# Altium PCB SAMW25_Xplained_Pro.PcbDoc (part 6 of 9) (continued)
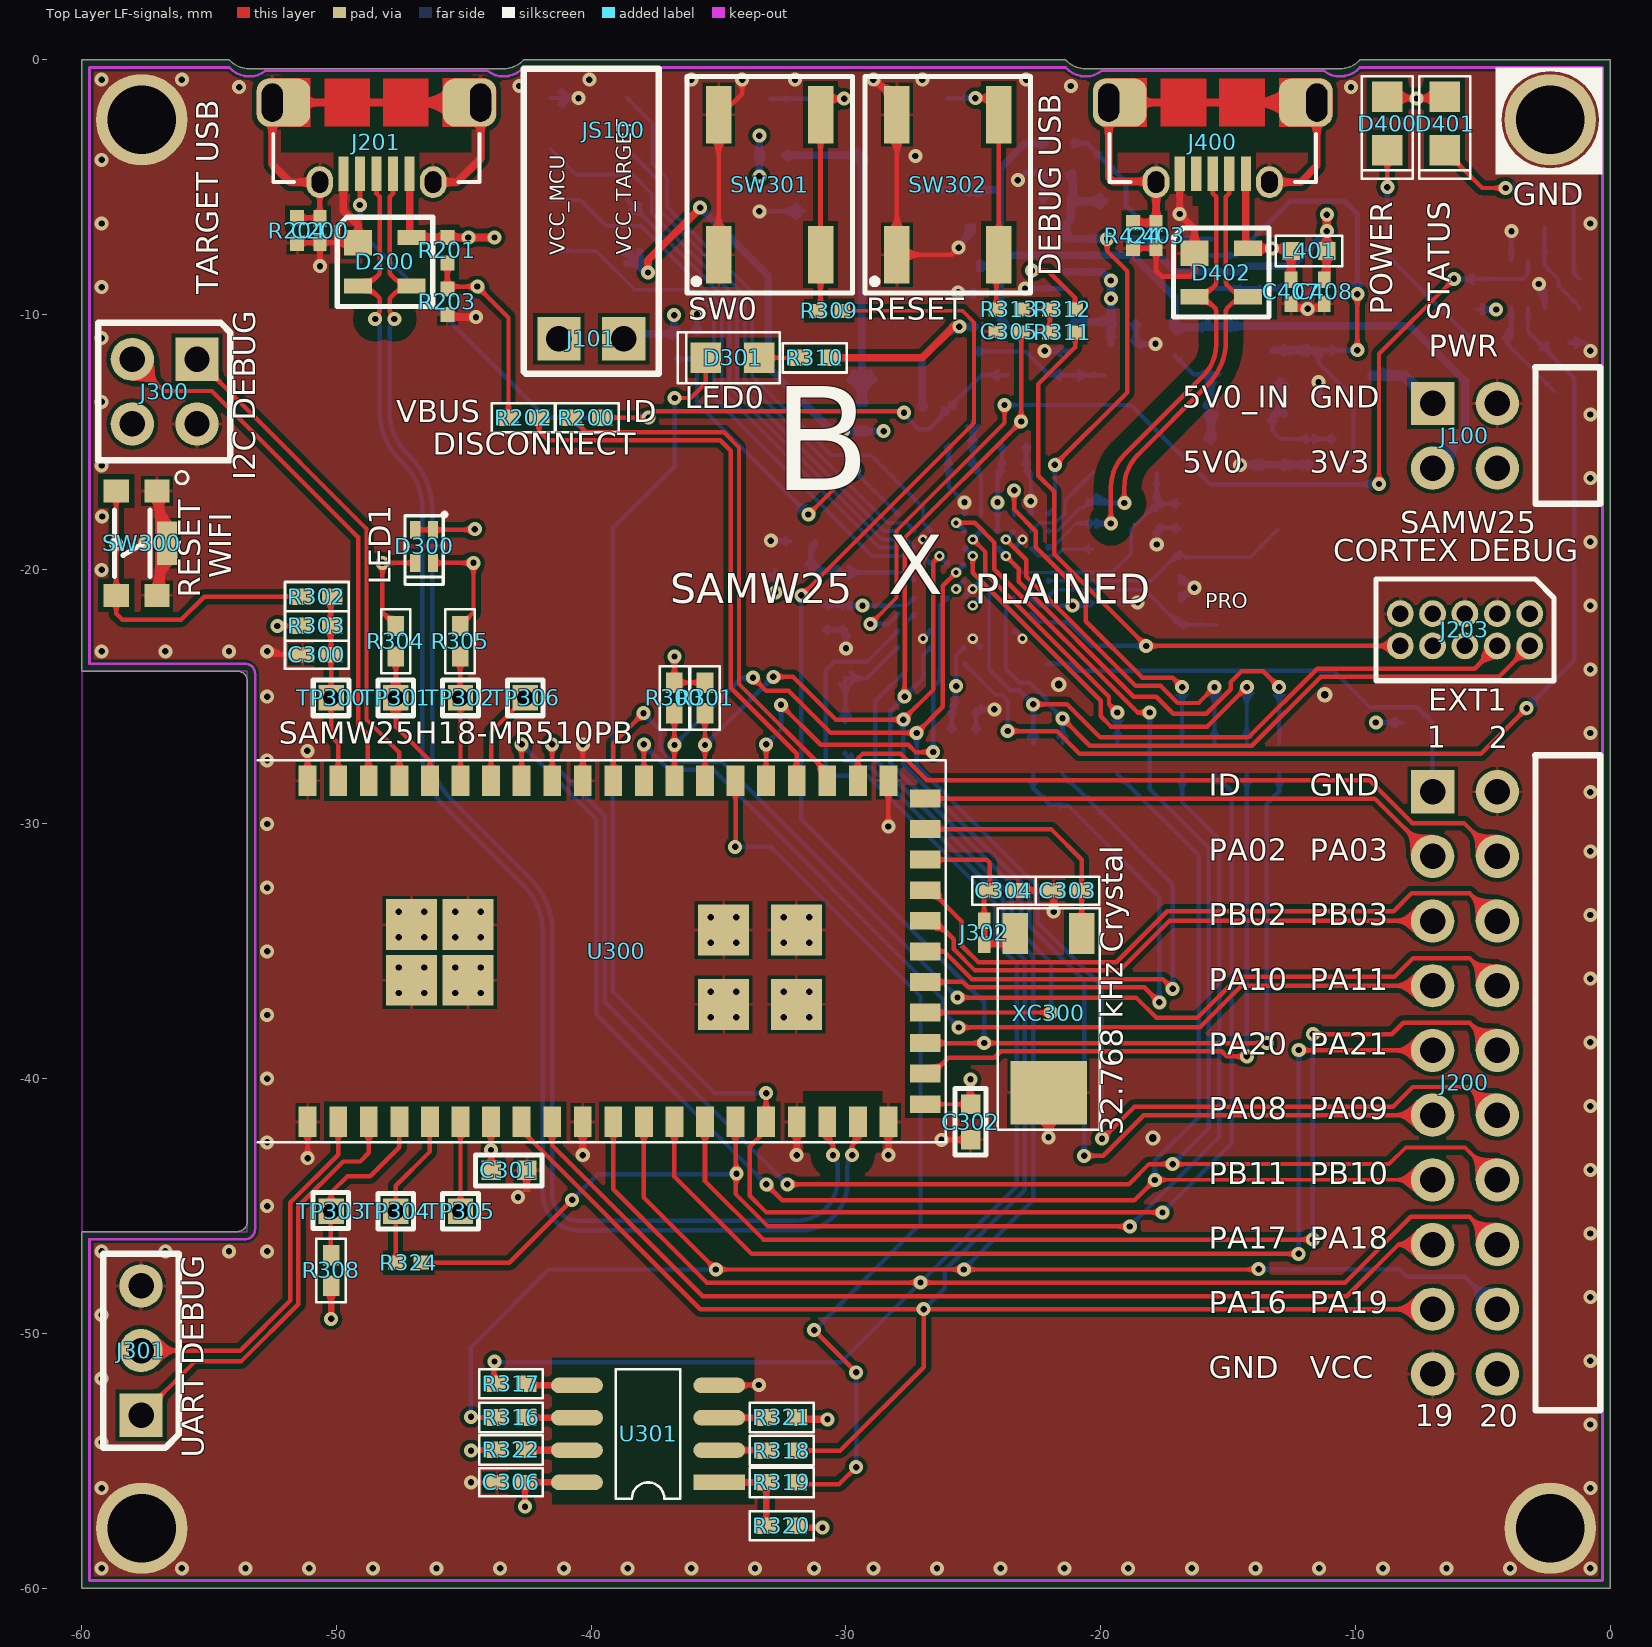
[diagram p0: Top Layer LF-signals view]
## Nets (pads, with @x,y where several pads share a name; then routed paths per layer and width w, separated by ;. In a path a pad name is that pad's centre, name@x,y a point inside that pad or via, vN(x,y) a via of type N, cw(c..) or ccw(c..) an arc to the next point about the centre after c; other vN are vias at no path point) (continued)
NetR314_2: pad.3@-22,-29.25 R314.2 U300.25 | length 30.4
  Top Layer LF-signals w0.175: U300.25@-26.894,-36.2 -25.412,-36.2 -25.201,-36.411 -18.289,-36.411 v1(-17.7,-37) ; U300.25@-26.458,-36.386 cw(c-26.01,-36.834) -26.01,-36.2 ; U300.25@-26.458,-36.386 cw(c-26.01,-36.834) -26.01,-36.2 ; U300.25@-26.458,-36.386 cw(c-26.01,-36.834) -26.01,-36.2 ; U300.25@-26.458,-36.014 ccw(c-26.01,-35.566) -26.01,-36.2 ; U300.25@-26.458,-36.014 ccw(c-26.01,-35.566) -26.01,-36.2 ; U300.25@-26.458,-36.014 ccw(c-26.01,-35.566) -26.01,-36.2 ; -18.02,-36.68 cw(c-18.34,-37) v1@-17.887,-37 ; -18.02,-36.68 ccw(c-17.7,-36.36) v1@-17.7,-36.813 ; -18.02,-36.68 ccw(c-17.7,-36.36) v1@-17.7,-36.813 ; -18.02,-36.68 cw(c-18.34,-37) v1@-17.887,-37 ; -18.02,-36.68 ccw(c-17.7,-36.36) v1@-17.7,-36.813 ; -18.02,-36.68 cw(c-18.34,-37) v1@-17.887,-37 ; -17.956,-36.744 ccw(c-17.63,-36.657) v1@-17.697,-36.988 ; -17.956,-36.744 ccw(c-17.63,-36.657) v1@-17.697,-36.988 ; -17.956,-36.744 ccw(c-17.63,-36.657) v1@-17.697,-36.988 ; -17.956,-36.744 cw(c-18.043,-37.07) v1@-17.712,-37.003 ; -17.956,-36.744 cw(c-18.043,-37.07) v1@-17.712,-37.003 ; -17.956,-36.744 cw(c-18.043,-37.07) v1@-17.712,-37.003
  Bottom Layer LF-signals w0.175: R314.2@-22.65,-28.035 -22.65,-28.6 ; v1(-17.7,-37) -17.7,-32.861 -21.286,-29.275 -21.65,-29.275 -21.675,-29.25 pad.3@-22,-29.25 -22.65,-28.6 ; R314.2@-22.797,-28.296 cw(c-23.037,-28.6) -22.65,-28.6 ; R314.2@-22.797,-28.296 cw(c-23.037,-28.6) -22.65,-28.6 ; R314.2@-22.797,-28.296 cw(c-23.037,-28.6) -22.65,-28.6 ; -22.65,-28.6 cw(c-22.263,-28.6) R314.2@-22.503,-28.296 ; -22.65,-28.6 cw(c-22.263,-28.6) R314.2@-22.503,-28.296 ; -22.65,-28.6 cw(c-22.263,-28.6) R314.2@-22.503,-28.296
NetR315_2: pad.3@-20.285,-29.25 R315.2 U300.26 | length 22.5
  Top Layer LF-signals w0.175: U300.26@-26.894,-35 -26.15,-35 ; v1(-17.175,-36.475) -17.564,-36.086 -25.064,-36.086 -26.15,-35 ; U300.26@-26.426,-35.147 cw(c-26.15,-35.334) -26.15,-35 ; U300.26@-26.426,-35.147 cw(c-26.15,-35.334) -26.15,-35 ; U300.26@-26.426,-35.147 cw(c-26.15,-35.334) -26.15,-35 ; U300.26@-26.426,-34.853 ccw(c-26.15,-34.666) -26.15,-35 ; U300.26@-26.426,-34.853 ccw(c-26.15,-34.666) -26.15,-35 ; U300.26@-26.426,-34.853 ccw(c-26.15,-34.666) -26.15,-35
  Bottom Layer LF-signals w0.175: R315.2@-21.5,-28.035 pad.3@-20.285,-29.25 -17.175,-32.36 v1(-17.175,-36.475)
NetR316_1: R316.1 U301.6 | length 4.3
  Top Layer LF-signals w0.25: R316.1@-42.54,-53.31 U301.6@-40.563,-53.31 ; R316.1@-42.334,-53.441 cw(c-42.016,-53.759) -42.016,-53.31 ; R316.1@-42.334,-53.441 cw(c-42.016,-53.759) -42.016,-53.31 ; R316.1@-42.334,-53.441 cw(c-42.016,-53.759) -42.016,-53.31 ; R316.1@-42.334,-53.159 ccw(c-41.968,-52.793) -41.968,-53.31 ; R316.1@-42.334,-53.159 ccw(c-41.968,-52.793) -41.968,-53.31 ; R316.1@-42.334,-53.159 ccw(c-41.968,-52.793) -41.968,-53.31
NetR317_1: R317.1 U301.5 | length 1.9
  Top Layer LF-signals w0.25: R317.1@-42.485,-52.04 U301.5@-40.563,-52.04
NetR321_2: R321.2 U301.3 | length 6.2
  Top Layer LF-signals w0.25: U301.3@-34.975,-53.31 R321.2@-33.09,-53.31 ; U301.3@-34.137,-53.437 cw(c-33.83,-53.744) -33.83,-53.31 ; U301.3@-34.137,-53.437 cw(c-33.83,-53.744) -33.83,-53.31 ; U301.3@-34.137,-53.437 cw(c-33.83,-53.744) -33.83,-53.31 ; U301.3@-34.137,-53.183 ccw(c-33.83,-52.876) -33.83,-53.31 ; U301.3@-34.137,-53.183 ccw(c-33.83,-52.876) -33.83,-53.31 ; U301.3@-34.137,-53.183 ccw(c-33.83,-52.876) -33.83,-53.31 ; -33.707,-53.31 ccw(c-33.707,-52.793) R321.2@-33.341,-53.159 ; -33.707,-53.31 ccw(c-33.707,-52.793) R321.2@-33.341,-53.159 ; -33.707,-53.31 ccw(c-33.707,-52.793) R321.2@-33.341,-53.159 ; -33.659,-53.31 cw(c-33.659,-53.759) R321.2@-33.341,-53.441 ; -33.659,-53.31 cw(c-33.659,-53.759) R321.2@-33.341,-53.441 ; -33.659,-53.31 cw(c-33.659,-53.759) R321.2@-33.341,-53.441
NetR322_1: R322.1 U301.7 | length 5.7
  Top Layer LF-signals w0.3: R322.1@-42.545,-54.58 U301.7@-40.563,-54.58 ; R322.1@-42.351,-54.699 cw(c-42.065,-54.985) -42.065,-54.58 ; R322.1@-42.351,-54.699 cw(c-42.065,-54.985) -42.065,-54.58 ; R322.1@-42.351,-54.699 cw(c-42.065,-54.985) -42.065,-54.58 ; R322.1@-42.351,-54.451 ccw(c-42.04,-54.14) -42.04,-54.58 ; R322.1@-42.351,-54.451 ccw(c-42.04,-54.14) -42.04,-54.58 ; R322.1@-42.351,-54.451 ccw(c-42.04,-54.14) -42.04,-54.58 ; -41.648,-54.58 cw(c-41.648,-54.954) U301.7@-41.384,-54.689 ; -41.648,-54.58 ccw(c-41.648,-54.206) U301.7@-41.384,-54.471 ; -41.648,-54.58 ccw(c-41.648,-54.206) U301.7@-41.384,-54.471 ; -41.648,-54.58 cw(c-41.648,-54.954) U301.7@-41.384,-54.689 ; -41.648,-54.58 ccw(c-41.648,-54.206) U301.7@-41.384,-54.471 ; -41.648,-54.58 cw(c-41.648,-54.954) U301.7@-41.384,-54.689
NetTP305_1: TP305.1 U300.6 | length 3.5
  Top Layer LF-signals w0.175: TP305.1@-45.135,-45.2 U300.6@-45.135,-41.696
PA00_XIN32: C304.1 J302.2 U300.29 | length 9.2
  Top Layer LF-signals w0.175: U300.29@-26.894,-31.4 -24.49,-31.4 -24.4,-31.49
  Top Layer LF-signals w0.18: J302.2@-24.575,-33.79 -24.575,-32.84 C304.1@-24.35,-32.615 -24.35,-31.54 -24.4,-31.49 ; J302.2@-24.688,-33.602 ccw(c-24.961,-33.329) -24.575,-33.329 ; J302.2@-24.688,-33.602 ccw(c-24.961,-33.329) -24.575,-33.329 ; J302.2@-24.688,-33.602 ccw(c-24.961,-33.329) -24.575,-33.329 ; -24.575,-33.329 ccw(c-24.189,-33.329) J302.2@-24.462,-33.602 ; -24.575,-33.329 ccw(c-24.189,-33.329) J302.2@-24.462,-33.602 ; -24.575,-33.329 ccw(c-24.189,-33.329) J302.2@-24.462,-33.602 ; C304.1@-24.498,-32.467 ccw(c-24.857,-32.108) -24.35,-32.108 ; C304.1@-24.498,-32.467 ccw(c-24.857,-32.108) -24.35,-32.108 ; C304.1@-24.498,-32.467 ccw(c-24.857,-32.108) -24.35,-32.108 ; -24.35,-32.108 ccw(c-23.843,-32.108) C304.1@-24.202,-32.467 ; -24.35,-32.108 ccw(c-23.843,-32.108) C304.1@-24.202,-32.467 ; -24.35,-32.108 ccw(c-23.843,-32.108) C304.1@-24.202,-32.467
PA01_XOUT32: C303.1 U300.30 XC300.1 | length 14.3
  Top Layer LF-signals w0.175: U300.30@-26.894,-30.2 -21.95,-30.2 -20.746,-31.404
  Top Layer LF-signals w0.18: XC300.1@-20.746,-34.299 -20.746,-31.404 ; C303.1@-20.898,-32.763 cw(c-21.266,-33.131) -20.746,-33.131 ; C303.1@-20.898,-32.763 cw(c-21.266,-33.131) -20.746,-33.131 ; C303.1@-20.898,-32.763 cw(c-21.266,-33.131) -20.746,-33.131 ; C303.1@-20.898,-32.467 ccw(c-21.266,-32.099) -20.746,-32.099 ; C303.1@-20.898,-32.467 ccw(c-21.266,-32.099) -20.746,-32.099 ; C303.1@-20.898,-32.467 ccw(c-21.266,-32.099) -20.746,-32.099 ; -20.746,-33.113 cw(c-20.252,-33.113) C303.1@-20.602,-32.763 ; -20.746,-33.113 cw(c-20.252,-33.113) C303.1@-20.602,-32.763 ; -20.746,-33.113 cw(c-20.252,-33.113) C303.1@-20.602,-32.763 ; -20.746,-32.117 ccw(c-20.252,-32.117) C303.1@-20.602,-32.467 ; -20.746,-32.117 ccw(c-20.252,-32.117) C303.1@-20.602,-32.467 ; -20.746,-32.117 ccw(c-20.252,-32.117) C303.1@-20.602,-32.467
PA02_ADC0: J200.3@-6.97,-31.27 U300.31 | length 20.9
  Top Layer LF-signals w0.175: U300.31@-26.894,-29 -9.24,-29 J200.3@-6.97,-31.27
PA03_ADC1: J200.4@-4.43,-31.27 U300.33 | length 30.5
  Top Layer LF-signals w0.175: U300.33@-29.535,-28.296 -29.535,-27.435 ; J200.4@-4.43,-31.27 -5.738,-29.962 -7.774,-29.962 -9.461,-28.275 -26.825,-28.275 -27.85,-27.25 -29.35,-27.25 -29.535,-27.435 ; U300.33@-29.716,-27.856 ccw(c-30.115,-27.435) -29.535,-27.435 ; U300.33@-29.716,-27.856 ccw(c-30.115,-27.435) -29.535,-27.435 ; U300.33@-29.716,-27.856 ccw(c-30.115,-27.435) -29.535,-27.435 ; -29.535,-27.435 ccw(c-28.955,-27.435) U300.33@-29.354,-27.856 ; -29.535,-27.435 ccw(c-28.955,-27.435) U300.33@-29.354,-27.856 ; -29.535,-27.435 ccw(c-28.955,-27.435) U300.33@-29.354,-27.856
PA04_ADC4: R200.2 U300.34 | length 31.4
  Top Layer LF-signals w0.175: R200.2@-40.636,-14.05 R200.2@-40.775,-14.05 -40.213,-14.613 -34.803,-14.613 -34.2,-15.215 -34.2,-24.5 -30.735,-27.965 U300.34@-30.735,-28.296 ; R200.2@-40.719,-14.11 cw(c-40.888,-14.65) -40.341,-14.504 ; R200.2@-40.719,-14.11 cw(c-40.888,-14.65) -40.341,-14.504 ; R200.2@-40.719,-14.11 cw(c-40.888,-14.65) -40.341,-14.504 ; R200.2@-40.7,-14.288 cw(c-40.7,-14.68) -40.423,-14.402 ; R200.2@-40.7,-14.288 cw(c-40.7,-14.68) -40.423,-14.402 ; R200.2@-40.7,-14.288 cw(c-40.7,-14.68) -40.423,-14.402 ; R200.2@-40.463,-14.05 ccw(c-39.708,-14.05) -40.242,-14.583 ; R200.2@-40.463,-14.05 ccw(c-39.708,-14.05) -40.242,-14.583 ; R200.2@-40.463,-14.05 ccw(c-39.708,-14.05) -40.242,-14.583 ; -31.241,-27.459 cw(c-31.828,-28.046) U300.34@-30.998,-28.046 ; -31.241,-27.459 cw(c-31.828,-28.046) U300.34@-30.998,-28.046 ; -31.241,-27.459 cw(c-31.828,-28.046) U300.34@-30.998,-28.046 ; U300.34@-31.058,-27.821 ccw(c-30.629,-27.706) U300.34@-30.761,-28.13 ; U300.34@-31.058,-27.821 ccw(c-30.629,-27.706) U300.34@-30.761,-28.13 ; U300.34@-31.058,-27.821 ccw(c-30.629,-27.706) U300.34@-30.761,-28.13 ; -31.044,-27.656 ccw(c-30.735,-27.346) U300.34@-30.735,-27.784 ; -31.044,-27.656 ccw(c-30.735,-27.346) U300.34@-30.735,-27.784 ; -31.044,-27.656 ccw(c-30.735,-27.346) U300.34@-30.735,-27.784 ; U300.34@-30.942,-27.758 cw(c-31.23,-28.046) U300.34@-30.823,-28.046 ; U300.34@-30.942,-27.758 cw(c-31.23,-28.046) U300.34@-30.823,-28.046 ; U300.34@-30.942,-27.758 cw(c-31.23,-28.046) U300.34@-30.823,-28.046
PA05_ADC5: R202.2 U300.35 | length 27.7
  Top Layer LF-signals w0.175: R202.2@-42.05,-14.05 -42.05,-14.575 ; U300.35@-31.935,-28.296 -31.935,-27.24 -34.525,-24.65 -34.525,-15.35 -34.937,-14.938 -41.687,-14.938 -42.05,-14.575 ; R202.2@-42.207,-14.228 cw(c-42.511,-14.575) -42.05,-14.575 ; R202.2@-42.207,-14.228 cw(c-42.511,-14.575) -42.05,-14.575 ; R202.2@-42.207,-14.228 cw(c-42.511,-14.575) -42.05,-14.575 ; -42.05,-14.575 cw(c-41.589,-14.575) R202.2@-41.893,-14.228 ; -42.05,-14.575 cw(c-41.589,-14.575) R202.2@-41.893,-14.228 ; -42.05,-14.575 cw(c-41.589,-14.575) R202.2@-41.893,-14.228 ; U300.35@-32.121,-27.861 ccw(c-32.569,-27.412) -31.935,-27.412 ; U300.35@-32.121,-27.861 ccw(c-32.569,-27.412) -31.935,-27.412 ; U300.35@-32.121,-27.861 ccw(c-32.569,-27.412) -31.935,-27.412 ; -31.935,-27.412 ccw(c-31.301,-27.412) U300.35@-31.75,-27.861 ; -31.935,-27.412 ccw(c-31.301,-27.412) U300.35@-31.75,-27.861 ; -31.935,-27.412 ccw(c-31.301,-27.412) U300.35@-31.75,-27.861
PA07_SPI_SS: R319.2 U300.37 | length 35.7
  Top Layer LF-signals w0.175: v1(-34.35,-30.9) -34.335,-30.885 U300.37@-34.335,-28.296 ; R319.2@-31.85,-55.925 -30.275,-55.925 v1(-29.6,-55.25) ; v1(-31.25,-49.875) v1(-29.6,-51.525)
  Bottom Layer LF-signals w0.175: v1(-34.35,-30.9) -32.95,-30.9 -27.075,-36.775 -27.075,-45.7 v1(-31.25,-49.875) ; v1(-29.6,-55.25) v1(-29.6,-51.525)
PA10_PWM_TC0_2: J200.7@-6.97,-36.35 U300.40 | length 40.1
  Top Layer LF-signals w0.175: U300.40@-37.935,-28.296 v1(-37.935,-26.875) ; v1(-25.575,-37.988) -16.113,-37.988 -14.475,-36.35 J200.7@-6.97,-36.35 ; v1@-25.442,-38.12 cw(c-25.122,-38.44) -25.122,-37.988 ; v1@-25.442,-38.12 cw(c-25.122,-38.44) -25.122,-37.988 ; v1@-25.442,-38.12 cw(c-25.122,-38.44) -25.122,-37.988 ; v1@-25.442,-37.855 ccw(c-25.122,-37.535) -25.122,-37.988 ; v1@-25.442,-37.855 ccw(c-25.122,-37.535) -25.122,-37.988 ; v1@-25.442,-37.855 ccw(c-25.122,-37.535) -25.122,-37.988
  Bottom Layer LF-signals w0.175: v1(-37.935,-26.875) -37.935,-26.884 -36.944,-27.875 -35.2,-27.875 -26.188,-36.887 -26.188,-37.374 v1(-25.575,-37.988)
PA11_PWM_TC0_3: J200.8@-4.43,-36.35 U300.41 | length 47.7
  Top Layer LF-signals w0.175: U300.41@-39.135,-28.296 -39.135,-26.835 v1(-37.95,-25.65) ; v1(-25.625,-36.812) -18.612,-36.812 -17.825,-37.6 -16.185,-37.6 -14.585,-36 -8.47,-36 -7.732,-35.262 -5.517,-35.262 J200.8@-4.43,-36.35 ; v1@-25.492,-36.945 cw(c-25.172,-37.265) -25.172,-36.812 ; v1@-25.492,-36.945 cw(c-25.172,-37.265) -25.172,-36.812 ; v1@-25.492,-36.945 cw(c-25.172,-37.265) -25.172,-36.812 ; v1@-25.492,-36.68 ccw(c-25.172,-36.36) -25.172,-36.812 ; v1@-25.492,-36.68 ccw(c-25.172,-36.36) -25.172,-36.812 ; v1@-25.492,-36.68 ccw(c-25.172,-36.36) -25.172,-36.812
  Bottom Layer LF-signals w0.175: v1(-37.95,-25.65) -37.285,-26.315 -37.285,-27.075 -36.81,-27.55 -34.887,-27.55 v1(-25.625,-36.812) ; -25.945,-36.492 cw(c-26.265,-36.812) v1@-25.812,-36.812 ; -25.945,-36.492 ccw(c-25.625,-36.172) v1@-25.625,-36.625 ; -25.945,-36.492 ccw(c-25.625,-36.172) v1@-25.625,-36.625 ; -25.945,-36.492 cw(c-26.265,-36.812) v1@-25.812,-36.812 ; -25.945,-36.492 ccw(c-25.625,-36.172) v1@-25.625,-36.625 ; -25.945,-36.492 cw(c-26.265,-36.812) v1@-25.812,-36.812
PA16_S1_SPI_MISO: J200.17@-6.97,-49.05 R318.2 R420.2 U300.8 | length 79.8
  Top Layer LF-signals w0.175: U300.8@-42.735,-41.696 -42.735,-42.034 -35.72,-49.05 v1(-26.95,-49.05) ; R318.2@-31.925,-54.6 -30.225,-54.6 -26.95,-51.325 v1(-26.95,-49.05) ; J200.17@-6.97,-49.05 v1(-26.95,-49.05) ; R318.2@-31.682,-54.768 cw(c-31.277,-55.173) -31.277,-54.6 ; R318.2@-31.682,-54.768 cw(c-31.277,-55.173) -31.277,-54.6 ; R318.2@-31.682,-54.768 cw(c-31.277,-55.173) -31.277,-54.6 ; R318.2@-31.682,-54.432 ccw(c-31.277,-54.027) -31.277,-54.6 ; R318.2@-31.682,-54.432 ccw(c-31.277,-54.027) -31.277,-54.6 ; R318.2@-31.682,-54.432 ccw(c-31.277,-54.027) -31.277,-54.6
  Bottom Layer LF-signals w0.175: R420.2@-30.025,-27.2 -30.063,-27.238 -29.525,-27.775 -29.019,-27.775 -23.825,-32.969 -23.825,-34.49 -22.975,-35.34 -22.975,-44.365 -26.125,-47.515 -26.125,-48.225 v1(-26.95,-49.05) ; R420.2@-30.025,-27.513 cw(c-30.025,-28.086) -29.62,-27.68 ; R420.2@-30.025,-27.513 cw(c-30.025,-28.086) -29.62,-27.68 ; R420.2@-30.025,-27.513 cw(c-30.025,-28.086) -29.62,-27.68 ; R420.2@-29.787,-27.275 ccw(c-29.214,-27.275) -29.62,-27.68 ; R420.2@-29.787,-27.275 ccw(c-29.214,-27.275) -29.62,-27.68 ; R420.2@-29.787,-27.275 ccw(c-29.214,-27.275) -29.62,-27.68
PA17_S1_SPI_SS: J200.15@-6.97,-46.51 U300.9 | length 50.5
  Top Layer LF-signals w0.175: U300.9@-41.535,-41.696 -41.535,-42.625 -35.623,-48.538 -10.338,-48.538 -8.31,-46.51 ; J200.15@-6.97,-46.51 -8.31,-46.51 ; U300.9@-41.721,-42.132 cw(c-42.169,-42.58) -41.535,-42.58 ; U300.9@-41.721,-42.132 cw(c-42.169,-42.58) -41.535,-42.58 ; U300.9@-41.721,-42.132 cw(c-42.169,-42.58) -41.535,-42.58 ; -41.535,-42.58 cw(c-40.901,-42.58) U300.9@-41.35,-42.132 ; -41.535,-42.58 cw(c-40.901,-42.58) U300.9@-41.35,-42.132 ; -41.535,-42.58 cw(c-40.901,-42.58) U300.9@-41.35,-42.132 ; -8.31,-46.51 cw(c-8.31,-47.306) J200.15@-7.626,-46.899 ; -8.31,-46.51 ccw(c-8.31,-45.714) J200.15@-7.626,-46.121 ; -8.31,-46.51 ccw(c-8.31,-45.714) J200.15@-7.626,-46.121 ; -8.31,-46.51 cw(c-8.31,-47.306) J200.15@-7.626,-46.899 ; -8.31,-46.51 ccw(c-8.31,-45.714) J200.15@-7.626,-46.121 ; -8.31,-46.51 cw(c-8.31,-47.306) J200.15@-7.626,-46.899 ; -8.002,-46.51 cw(c-8.002,-47.123) J200.15@-7.475,-46.81 ; -8.002,-46.51 ccw(c-8.002,-45.897) J200.15@-7.475,-46.21 ; -8.002,-46.51 ccw(c-8.002,-45.897) J200.15@-7.475,-46.21 ; -8.002,-46.51 cw(c-8.002,-47.123) J200.15@-7.475,-46.81 ; -8.002,-46.51 ccw(c-8.002,-45.897) J200.15@-7.475,-46.21 ; -8.002,-46.51 cw(c-8.002,-47.123) J200.15@-7.475,-46.81
PA20_GPIO_IRQ4: J200.9@-6.97,-38.89 U300.13 | length 43.9
  Top Layer LF-signals w0.175: -36.735,-43.85 -33.708,-46.877 v1(-12.226,-46.877)
  Top Layer LF-signals w0.18: -36.735,-43.85 U300.13@-36.735,-41.696 ; v1@-12.225,-38.89 J200.9@-6.97,-38.89 ; U300.13@-36.919,-42.13 cw(c-37.363,-42.574) -36.735,-42.574 ; U300.13@-36.919,-42.13 cw(c-37.363,-42.574) -36.735,-42.574 ; U300.13@-36.919,-42.13 cw(c-37.363,-42.574) -36.735,-42.574 ; -36.735,-42.574 cw(c-36.108,-42.574) U300.13@-36.551,-42.13 ; -36.735,-42.574 cw(c-36.108,-42.574) U300.13@-36.551,-42.13 ; -36.735,-42.574 cw(c-36.108,-42.574) U300.13@-36.551,-42.13
  Bottom Layer LF-signals w0.18: -12.226,-46.6 v1(-12.225,-38.875)
PA21_GPIO_SS: J200.10@-4.43,-38.89 U300.14 | length 46
  Top Layer LF-signals w0.175: -35.535,-44.02 -33.24,-46.315 v1(-11.675,-46.315) ; v1(-11.675,-38.25) -8.575,-38.25 -8.127,-37.802 -5.517,-37.802 J200.10@-4.43,-38.89
  Top Layer LF-signals w0.18: -35.535,-44.02 U300.14@-35.535,-41.696 ; U300.14@-35.719,-42.13 cw(c-36.163,-42.574) -35.535,-42.574 ; U300.14@-35.719,-42.13 cw(c-36.163,-42.574) -35.535,-42.574 ; U300.14@-35.719,-42.13 cw(c-36.163,-42.574) -35.535,-42.574 ; -35.535,-42.574 cw(c-34.908,-42.574) U300.14@-35.351,-42.13 ; -35.535,-42.574 cw(c-34.908,-42.574) U300.14@-35.351,-42.13 ; -35.535,-42.574 cw(c-34.908,-42.574) U300.14@-35.351,-42.13
  Bottom Layer LF-signals w0.175: v1(-11.675,-46.315) v1(-11.675,-38.25)
PA22_TC4_0: R324.1 R418.1 U300.15 | length 62.5
  Top Layer LF-signals w0.175: R324.1@-46.675,-47.225 -43.219,-47.225 v1(-40.751,-44.757) v1@-40.672,-44.678 ; R324.1@-46.517,-47.358 cw(c-46.197,-47.678) -46.197,-47.225 cw(c-46.197,-46.772) R324.1@-46.517,-47.092 ; -34.335,-44.525 -33.06,-45.8 v1(-18.86,-45.8) ; -19.312,-45.8 cw(c-19.312,-46.253) v1@-18.992,-45.933 ; -19.312,-45.8 ccw(c-19.312,-45.347) v1@-18.992,-45.667 ; -19.312,-45.8 ccw(c-19.312,-45.347) v1@-18.992,-45.667 ; -19.312,-45.8 cw(c-19.312,-46.253) v1@-18.992,-45.933 ; -19.312,-45.8 ccw(c-19.312,-45.347) v1@-18.992,-45.667 ; -19.312,-45.8 cw(c-19.312,-46.253) v1@-18.992,-45.933
  Top Layer LF-signals w0.18: v1@-34.431,-43.856 cw(c-34.662,-44.087) -34.335,-44.087 ; v1@-34.431,-43.594 ccw(c-34.662,-43.363) -34.335,-43.363 ; -34.335,-44.525 U300.15@-34.335,-41.696 ; -34.335,-44.257 cw(c-33.768,-44.257) v1@-34.169,-43.856 ; -34.335,-43.193 ccw(c-33.768,-43.193) v1@-34.169,-43.594 ; U300.15@-34.519,-42.13 cw(c-34.963,-42.574) -34.335,-42.574 ; U300.15@-34.519,-42.13 cw(c-34.963,-42.574) -34.335,-42.574 ; U300.15@-34.519,-42.13 cw(c-34.963,-42.574) -34.335,-42.574 ; -34.335,-42.574 cw(c-33.708,-42.574) U300.15@-34.151,-42.13 ; -34.335,-42.574 cw(c-33.708,-42.574) U300.15@-34.151,-42.13 ; -34.335,-42.574 cw(c-33.708,-42.574) U300.15@-34.151,-42.13
  Bottom Layer LF-signals w0.175: v1(-40.751,-44.757) -39.744,-43.75 v1@-34.31,-43.75 ; v1(-18.86,-45.8) -15.35,-42.29 -15.35,-30.6 -16.805,-29.145 R418.1@-16.805,-28.035 ; R418.1@-16.973,-28.278 cw(c-17.378,-28.683) -16.805,-28.683 ; R418.1@-16.973,-28.278 cw(c-17.378,-28.683) -16.805,-28.683 ; R418.1@-16.973,-28.278 cw(c-17.378,-28.683) -16.805,-28.683 ; -16.805,-28.683 cw(c-16.232,-28.683) R418.1@-16.637,-28.278 ; -16.805,-28.683 cw(c-16.232,-28.683) R418.1@-16.637,-28.278 ; -16.805,-28.683 cw(c-16.232,-28.683) R418.1@-16.637,-28.278
  other v1: -34.3,-43.725
PA23_PWM_TC4_1: D301.1 R419.1 U300.16 | length 81.2
  Top Layer LF-signals w0.175: v1(-36.725,-13.275) -36.1,-13.275 -35.5,-12.675 D301.1@-35.5,-11.7 ; v1(-33.135,-40.565) U300.16@-33.135,-41.696 -33.135,-42.035 -33.775,-42.675 -33.775,-44.6 -33.125,-45.25 v1(-17.575,-45.25) ; U300.16@-33.321,-41.261 ccw(c-33.769,-40.812) v1@-33.135,-40.812 ; U300.16@-33.321,-41.261 ccw(c-33.769,-40.812) v1@-33.135,-40.812 ; U300.16@-33.321,-41.261 ccw(c-33.769,-40.812) v1@-33.135,-40.812 ; v1@-33.135,-40.812 ccw(c-32.501,-40.812) U300.16@-32.95,-41.261 ; v1@-33.135,-40.812 ccw(c-32.501,-40.812) U300.16@-32.95,-41.261 ; v1@-33.135,-40.812 ccw(c-32.501,-40.812) U300.16@-32.95,-41.261
  Bottom Layer LF-signals w0.175: v1(-36.725,-13.275) -36.725,-15.95 -39.15,-18.375 -39.15,-36.575 -35.16,-40.565 v1(-33.135,-40.565) ; v1(-17.575,-45.25) -14.85,-42.525 -14.85,-28.72 R419.1@-15.535,-28.035 ; R419.1@-15.535,-28.347 cw(c-15.535,-29.102) -15.002,-28.568 ; R419.1@-15.535,-28.347 cw(c-15.535,-29.102) -15.002,-28.568 ; R419.1@-15.535,-28.347 cw(c-15.535,-29.102) -15.002,-28.568 ; R419.1@-15.475,-28.091 ccw(c-14.935,-27.922) -15.081,-28.469 ; R419.1@-15.475,-28.091 ccw(c-14.935,-27.922) -15.081,-28.469 ; R419.1@-15.475,-28.091 ccw(c-14.935,-27.922) -15.081,-28.469 ; R419.1@-15.298,-28.11 ccw(c-14.905,-28.11) -15.183,-28.387 ; R419.1@-15.298,-28.11 ccw(c-14.905,-28.11) -15.183,-28.387 ; R419.1@-15.298,-28.11 ccw(c-14.905,-28.11) -15.183,-28.387
PB02_GPIO1: J200.5@-6.97,-33.81 U300.27 | length 27.5
  Top Layer LF-signals w0.175: U300.27@-26.894,-33.8 -26.5,-33.8 -25.775,-34.525 -25.775,-34.91 -24.935,-35.75 -19.25,-35.75 -17.3,-33.8 -6.98,-33.8 J200.5@-6.97,-33.81 ; U300.27@-26.726,-33.832 ccw(c-26.267,-33.654) U300.27@-26.394,-34.129 ; U300.27@-26.726,-33.832 ccw(c-26.267,-33.654) U300.27@-26.394,-34.129 ; U300.27@-26.726,-33.832 ccw(c-26.267,-33.654) U300.27@-26.394,-34.129 ; U300.27@-26.644,-34.062 cw(c-26.644,-35.044) -25.95,-34.35 ; U300.27@-26.644,-34.062 cw(c-26.644,-35.044) -25.95,-34.35 ; U300.27@-26.644,-34.062 cw(c-26.644,-35.044) -25.95,-34.35 ; U300.27@-26.644,-33.887 cw(c-26.644,-34.446) -26.249,-34.051 ; U300.27@-26.644,-33.887 cw(c-26.644,-34.446) -26.249,-34.051 ; U300.27@-26.644,-33.887 cw(c-26.644,-34.446) -26.249,-34.051 ; U300.27@-26.382,-33.8 ccw(c-26.095,-33.8) U300.27@-26.298,-34.002 ; U300.27@-26.382,-33.8 ccw(c-26.095,-33.8) U300.27@-26.298,-34.002 ; U300.27@-26.382,-33.8 ccw(c-26.095,-33.8) U300.27@-26.298,-34.002
PB03_GPIO2: J200.6@-4.43,-33.81 U300.28 | length 30.1
  Top Layer LF-signals w0.175: U300.28@-26.894,-32.6 -26.675,-32.6 -25.45,-33.825 -25.45,-34.776 -24.801,-35.425 -19.385,-35.425 -17.385,-33.425 -8.5,-33.425 -7.798,-32.722 -5.517,-32.722 J200.6@-4.43,-33.81 ; U300.28@-26.644,-32.862 cw(c-26.644,-33.421) -26.249,-33.026 ; U300.28@-26.644,-32.862 cw(c-26.644,-33.421) -26.249,-33.026 ; U300.28@-26.644,-32.862 cw(c-26.644,-33.421) -26.249,-33.026 ; U300.28@-26.623,-32.515 cw(c-26.721,-32.912) U300.28@-26.326,-32.806 ; U300.28@-26.623,-32.515 cw(c-26.721,-32.912) U300.28@-26.326,-32.806 ; U300.28@-26.623,-32.515 cw(c-26.721,-32.912) U300.28@-26.326,-32.806 ; U300.28@-26.382,-32.6 ccw(c-25.673,-32.6) -26.174,-33.101 ; U300.28@-26.382,-32.6 ccw(c-25.673,-32.6) -26.174,-33.101 ; U300.28@-26.382,-32.6 ccw(c-25.673,-32.6) -26.174,-33.101
PB11_S4_UART_RX: J200.13@-6.97,-43.97 R414.1 U300.44 | length 71.8
  Top Layer LF-signals w0.15: v1@-17.875,-43.97 J200.13@-6.97,-43.97
  Top Layer LF-signals w0.175: U300.44@-42.735,-28.296 v1(-42.735,-26.875) ; v1(-33.125,-44.15) -32.5,-44.775 -18.675,-44.775 v1(-17.875,-43.975) ; v1@-33.128,-44.162 cw(c-33.195,-44.493) -32.869,-44.406 ; v1@-33.128,-44.162 cw(c-33.195,-44.493) -32.869,-44.406 ; v1@-33.128,-44.162 cw(c-33.195,-44.493) -32.869,-44.406 ; v1@-33.125,-44.337 cw(c-33.125,-44.79) -32.805,-44.47 ; v1@-33.125,-44.337 cw(c-33.125,-44.79) -32.805,-44.47 ; v1@-33.125,-44.337 cw(c-33.125,-44.79) -32.805,-44.47 ; v1@-33.113,-44.147 ccw(c-32.782,-44.08) -32.869,-44.406 ; v1@-33.113,-44.147 ccw(c-32.782,-44.08) -32.869,-44.406 ; v1@-33.113,-44.147 ccw(c-32.782,-44.08) -32.869,-44.406 ; v1@-32.938,-44.15 ccw(c-32.485,-44.15) -32.805,-44.47 ; v1@-32.938,-44.15 ccw(c-32.485,-44.15) -32.805,-44.47 ; v1@-32.938,-44.15 ccw(c-32.485,-44.15) -32.805,-44.47
  Bottom Layer LF-signals w0.175: v1(-42.735,-26.875) -39.8,-29.81 -39.8,-37.475 v1(-33.125,-44.15) ; R414.1@-19.345,-28.035 -16.15,-31.23 -16.15,-41.5 -17.875,-43.225 v1(-17.875,-43.975)
PB22_GPIO1: R416.1 U300.22 | length 33.3
  Top Layer LF-signals w0.175: U300.22@-26.894,-39.8 -26.6,-39.8 -25.975,-39.175 -24.175,-39.175 -23.925,-38.925 -15.25,-38.925 -15.048,-39.127 v1@-14.265,-39.127 ; U300.22@-26.729,-39.778 cw(c-26.325,-39.884) U300.22@-26.433,-39.481 ; U300.22@-26.729,-39.778 cw(c-26.325,-39.884) U300.22@-26.433,-39.481 ; U300.22@-26.729,-39.778 cw(c-26.325,-39.884) U300.22@-26.433,-39.481 ; U300.22@-26.644,-39.538 ccw(c-26.644,-38.798) -26.121,-39.321 ; U300.22@-26.644,-39.538 ccw(c-26.644,-38.798) -26.121,-39.321 ; U300.22@-26.644,-39.538 ccw(c-26.644,-38.798) -26.121,-39.321 ; U300.22@-26.382,-39.8 cw(c-25.854,-39.8) -26.227,-39.427 ; U300.22@-26.382,-39.8 cw(c-25.854,-39.8) -26.227,-39.427 ; U300.22@-26.382,-39.8 cw(c-25.854,-39.8) -26.227,-39.427
  Bottom Layer LF-signals w0.175: v1(-14.265,-39.125) R416.1@-14.265,-28.035 ; R416.1@-14.433,-28.278 cw(c-14.838,-28.683) -14.265,-28.683 ; R416.1@-14.433,-28.278 cw(c-14.838,-28.683) -14.265,-28.683 ; R416.1@-14.433,-28.278 cw(c-14.838,-28.683) -14.265,-28.683 ; v1@-14.398,-38.992 ccw(c-14.718,-38.672) -14.265,-38.672 ; v1@-14.398,-38.992 ccw(c-14.718,-38.672) -14.265,-38.672 ; v1@-14.398,-38.992 ccw(c-14.718,-38.672) -14.265,-38.672 ; -14.265,-38.672 ccw(c-13.812,-38.672) v1@-14.132,-38.992 ; -14.265,-38.672 ccw(c-13.812,-38.672) v1@-14.132,-38.992 ; -14.265,-38.672 ccw(c-13.812,-38.672) v1@-14.132,-38.992 ; -14.265,-28.683 cw(c-13.692,-28.683) R416.1@-14.097,-28.278 ; -14.265,-28.683 cw(c-13.692,-28.683) R416.1@-14.097,-28.278 ; -14.265,-28.683 cw(c-13.692,-28.683) R416.1@-14.097,-28.278
PB23_GPIO2: R309.2 R417.1 U300.23 | length 73.1
  Top Layer LF-signals w0.15: v1(-31.75,-21.025) -24.976,-14.251 -24.976,-10.306 -25.432,-9.85 -29.725,-9.85
  Top Layer LF-signals w0.175: U300.23@-26.894,-38.6 v1(-24.575,-38.6) v1(-13.475,-38.6) ; U300.23@-26.458,-38.786 cw(c-26.01,-39.234) -26.01,-38.6 ; U300.23@-26.458,-38.786 cw(c-26.01,-39.234) -26.01,-38.6 ; U300.23@-26.458,-38.786 cw(c-26.01,-39.234) -26.01,-38.6 ; U300.23@-26.458,-38.414 ccw(c-26.01,-37.966) -26.01,-38.6 ; U300.23@-26.458,-38.414 ccw(c-26.01,-37.966) -26.01,-38.6 ; U300.23@-26.458,-38.414 ccw(c-26.01,-37.966) -26.01,-38.6 ; -25.028,-38.6 cw(c-25.028,-39.053) v1@-24.708,-38.733 ; -25.028,-38.6 ccw(c-25.028,-38.147) v1@-24.708,-38.467 ; -25.028,-38.6 ccw(c-25.028,-38.147) v1@-24.708,-38.467 ; -25.028,-38.6 cw(c-25.028,-39.053) v1@-24.708,-38.733 ; -25.028,-38.6 ccw(c-25.028,-38.147) v1@-24.708,-38.467 ; -25.028,-38.6 cw(c-25.028,-39.053) v1@-24.708,-38.733 ; v1@-24.442,-38.733 cw(c-24.122,-39.053) -24.122,-38.6 ; v1@-24.442,-38.733 cw(c-24.122,-39.053) -24.122,-38.6 ; v1@-24.442,-38.733 cw(c-24.122,-39.053) -24.122,-38.6 ; v1@-24.442,-38.467 ccw(c-24.122,-38.147) -24.122,-38.6 ; v1@-24.442,-38.467 ccw(c-24.122,-38.147) -24.122,-38.6 ; v1@-24.442,-38.467 ccw(c-24.122,-38.147) -24.122,-38.6
  Bottom Layer LF-signals w0.175: v1(-31.75,-21.025) -31.75,-29.825 -24.575,-37 v1(-24.575,-38.6) ; v1(-13.475,-38.6) -13.475,-29.2 -12.995,-28.72 R417.1@-12.995,-28.035 ; R417.1@-13.163,-28.278 cw(c-13.568,-28.683) -12.995,-28.683 ; R417.1@-13.163,-28.278 cw(c-13.568,-28.683) -12.995,-28.683 ; R417.1@-13.163,-28.278 cw(c-13.568,-28.683) -12.995,-28.683 ; -12.995,-28.683 cw(c-12.422,-28.683) R417.1@-12.827,-28.278 ; -12.995,-28.683 cw(c-12.422,-28.683) R417.1@-12.827,-28.278 ; -12.995,-28.683 cw(c-12.422,-28.683) R417.1@-12.827,-28.278